# KiCad board Control_1v1.kicad_pcb (continued)
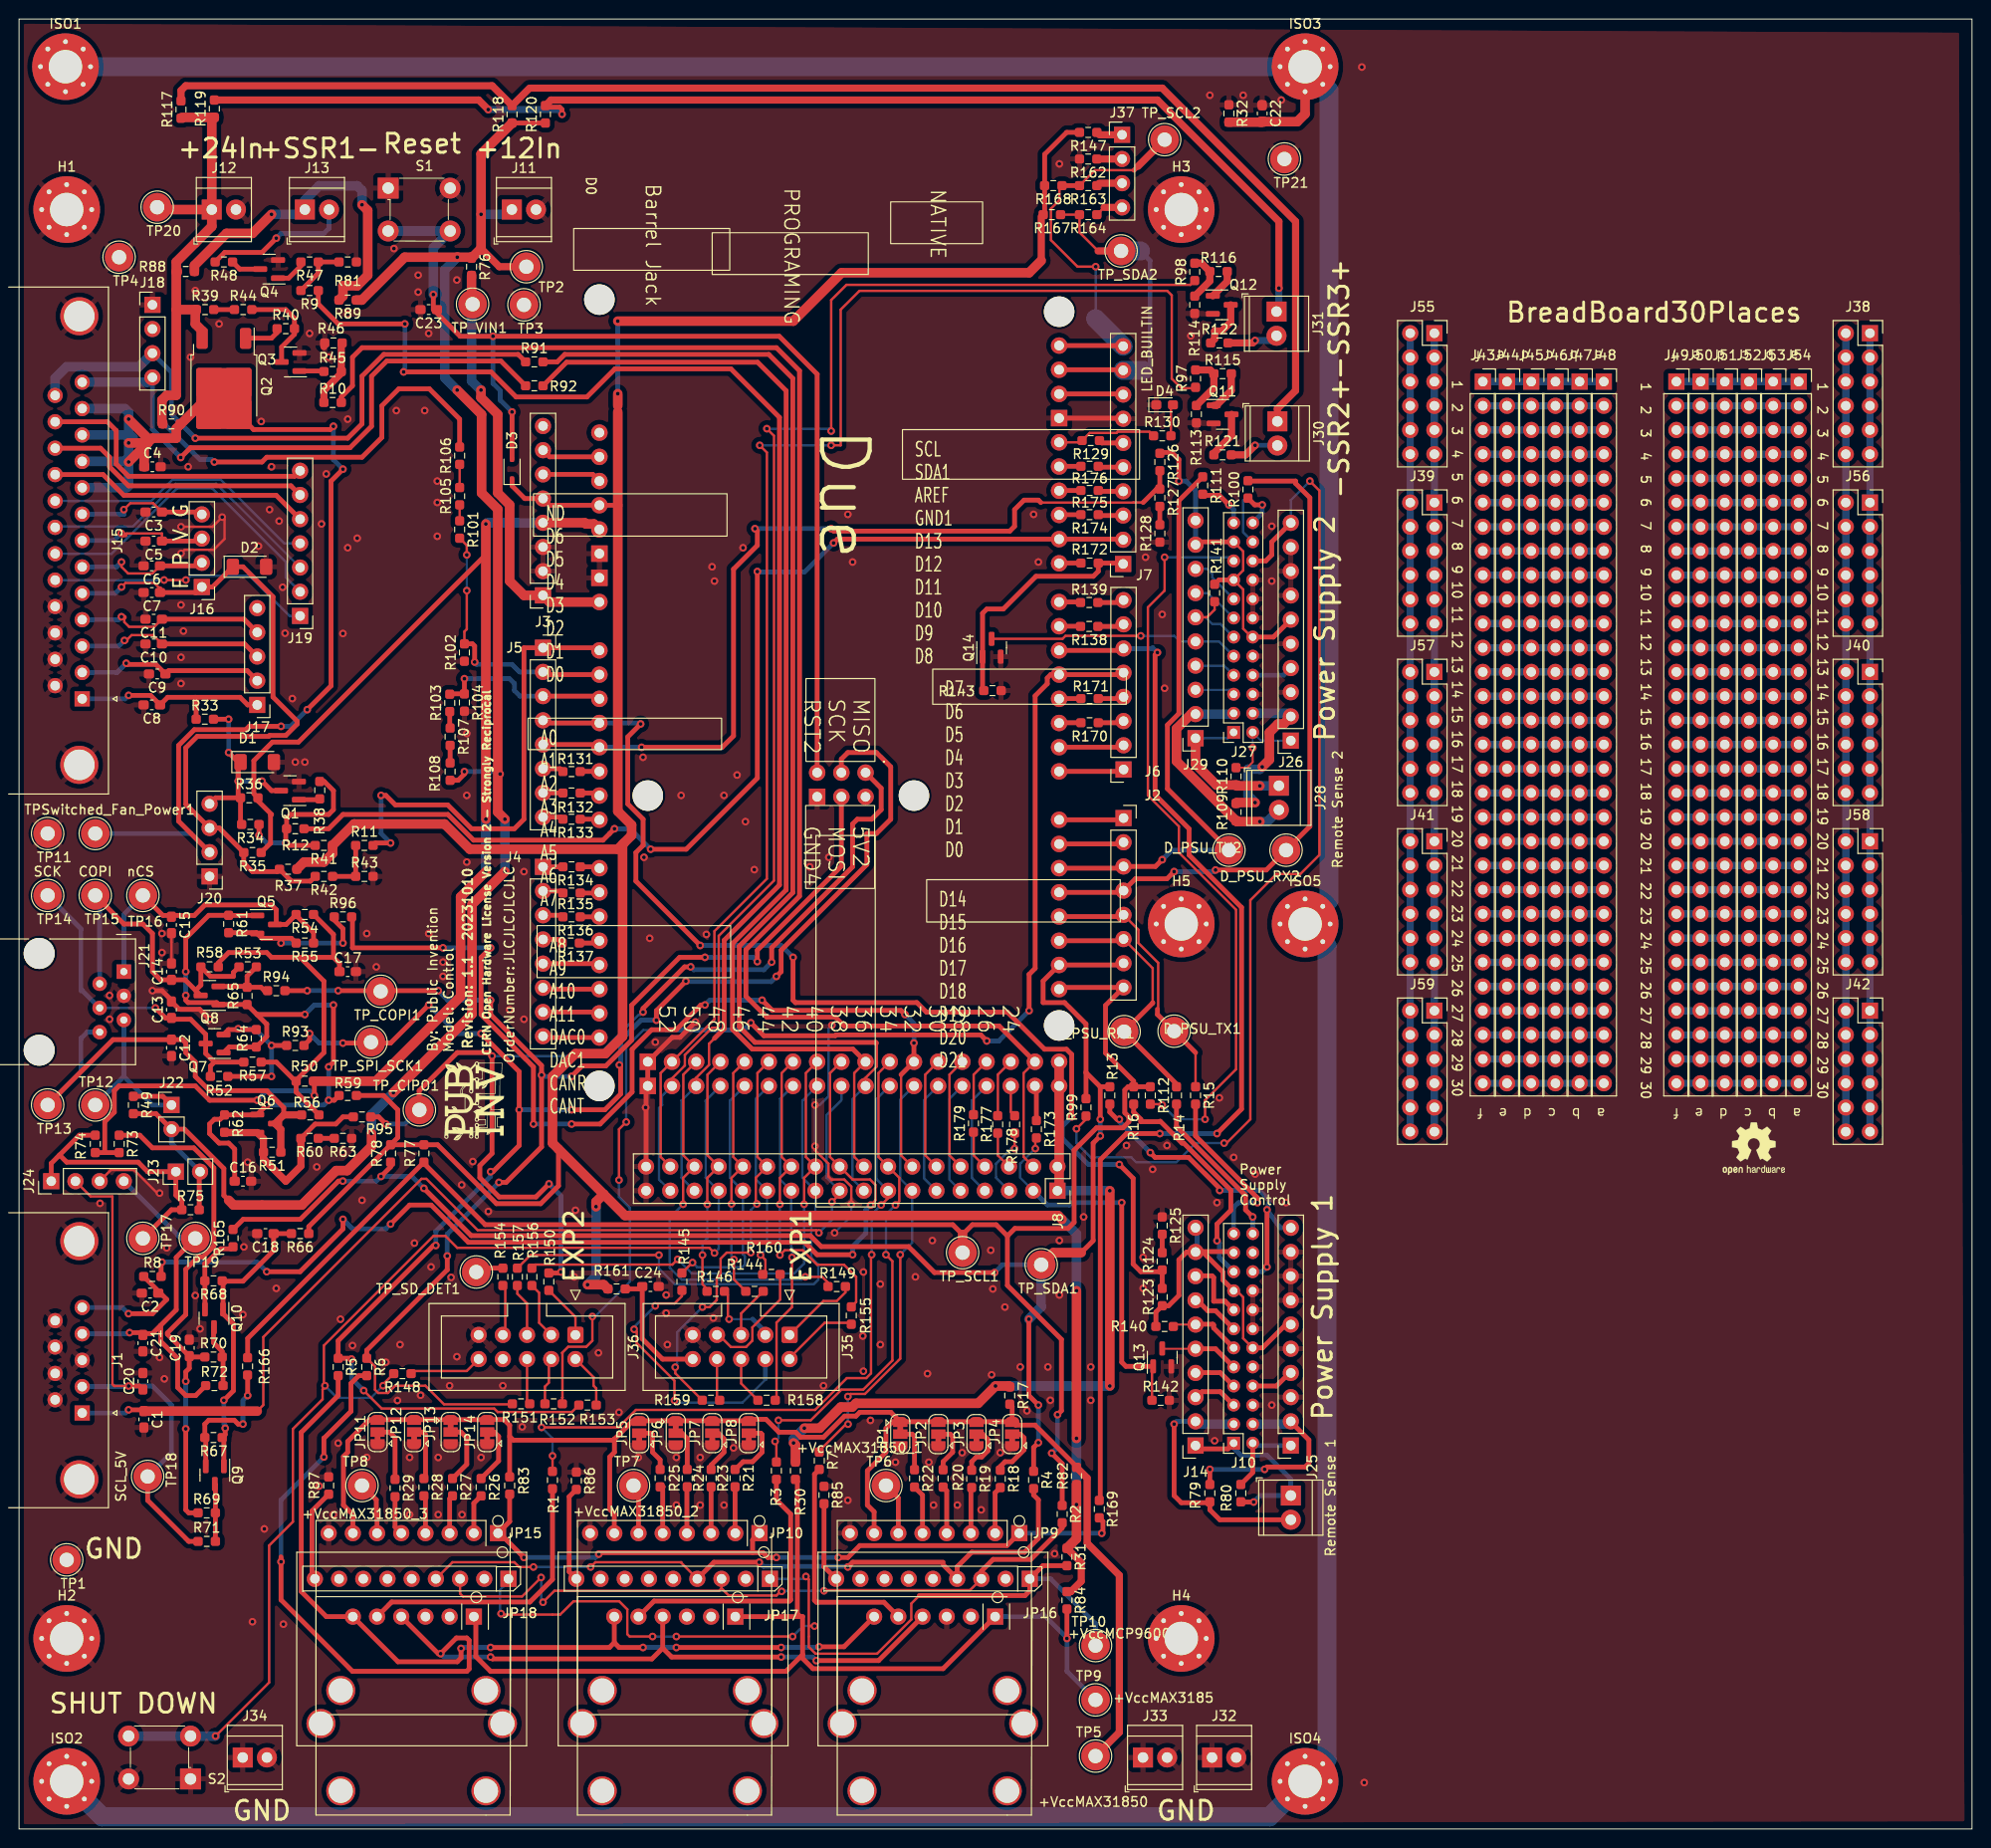
[diagram p0: board, top side]
## Nets (continued)
/SSR Interface/Heater3: R98.2 R114.1 R116.1
/Thermocouple Amplifier I2C breakout board - MCP9600/SCL: JP19.3 JP20.3 JP21.3 R2.2
/Thermocouple Amplifier I2C breakout board - MCP9600/SDA: JP19.4 JP20.4 JP21.4 R4.2
/Thermocouple Amplifier SPI Interface breakout board - MAX31855 /DO: JP16.4 JP17.4 JP18.4 R6.2
/Thermocouple Amplifier SPI Interface breakout board - MAX31855 /nCS_1: JP16.5 R7.2
/Thermocouple Amplifier SPI Interface breakout board - MAX31855 /nCS_2: JP17.5 R3.2
/Thermocouple Amplifier SPI Interface breakout board - MAX31855 /nCS_3: JP18.5 R1.2
/Thermocouple Amplifier SPI Interface breakout board - MAX31855 /SCK: JP16.6 JP17.6 JP18.6 R5.2
/Thermocouple Amplifier with 1-Wire Breakout Board - MAX31850K/DATA: JP9.1 JP10.1 JP15.1 R83.1 R169.1
/TX: J10.24 R14.1
/TX2: J27.24 R100.1
/VCI: J10.15 J14.8
/VCI2: J27.15 J29.8
/VO2+: J26.1 J27.2 R110.2
/VO2-: J26.2 J27.4 R109.2
/VO+: J9.1 J10.2 R80.2
/VO-: J9.2 J10.4 R79.2
/VS2+: J27.1 J28.1 J29.1 R110.1
/VS2-: J27.3 J28.2 J29.2 R109.1
/VS+: J10.1 J14.1 J25.1 R80.1
/VS-: J10.3 J14.2 J25.2 R79.1
/VSET: J9.4 J10.8
/VSET2: J26.4 J27.8
AREF: A1.AREF J7.8
BLOWER_ENABLE: A1.D22 J8.4 R10.2
BLOWER_TACH: A1.A0 J5.1 R11.2
CANR: A1.CANR J4.7
CANT: A1.CANT J4.8
CIPO: A1.MISO R95.2 R150.2 TP_CIPO1.1
COPI: A1.MOSI R6.1 R94.2 R151.2 TP_COPI1.1
D0: A1.D0 J6.1
D1: A1.D1 J6.2
D25: J8.5 R178.1
D27: A1.D27 J8.7
D29: A1.D29 J8.9
D31: A1.D31 J8.11
D32: A1.D32 J8.14 R96.2
D37: A1.D37 J8.17 R91.2
D38: A1.D38 J8.20 R8.2
D39: A1.D39 C1.1 J1.1 J8.19
D40: A1.D40 J8.22 R156.1
D41: A1.D41 J8.21 R157.1
D42: A1.D42 J8.24 R155.1
D43: A1.D43 J8.23 R158.1
D44: A1.D44 J8.26 R159.1
D45: A1.D45 J8.25 R160.1
D46: A1.D46 J8.28 R144.2
D47: A1.D47 J8.27 R145.2
D48: A1.D48 J8.30 R146.2
D49: A1.D49 J8.29 R148.2 S2.3 S2.4
D50: A1.D50 J8.32 R149.2
D51: A1.D51 J8.31 R9.1
D52: A1.D52 J8.34 R97.1
D53: A1.D53 J8.33 R98.1
DAC0: A1.DAC0 J4.5
DAC1: A1.DAC1 J4.6
LED_BUILTIN: A1.D13 R129.2 R130.1
LOOPBACK13: A1.D36 J8.18 R92.2
nFAN1_PWM: A1.D9 J7.2 R12.2
ONE_WIRE_TC: A1.D5 J6.6 R169.2
PS1_EN: J8.3 Q13.1 R142.1 R173.2
PS2_EN: J7.1 Q14.1 R143.1 R172.2
SCL: A1.D21 J2.8 R2.1 R16.1 R77.1 R112.1 R166.2 TP_SCL1.1
SCL1: A1.SCL1 J7.10 R163.2 R168.1 TP_SCL2.1
SDA: A1.D20 J2.7 R4.1 R13.2 R78.1 R99.2 R165.2 TP_SDA1.1
SDA1: A1.SDA1 J7.9 R164.2 R167.1 TP_SDA2.1
SENSE_12V: A1.A2 J5.3 R103.2 R104.1
SENSE_24V: A1.A1 J5.2 R101.2 R102.2
SENSE_AUX1: A1.A3 J5.4 R123.2 R124.1
SENSE_AUX2: A1.A4 J5.5 R126.2 R127.1
SPI_nRST: A1.RST2 C23.1 D3.2 S1.3 S1.4
SPI_SCK: A1.SCK R5.1 R93.2 R153.2 TP_SPI_SCK1.1
TC_nCS1: A1.D33 J8.13 R7.1
TC_nCS2: A1.D34 J8.16 R3.1
TC_nCS3: A1.D35 J8.15 R1.1
Net-(A1-D10_CS0): A1.D10 R174.2
Net-(A1-D14/TX3): A1.D14 J2.1
Net-(A1-D15/RX3): A1.D15 J2.2
Net-(A1-IOREF): A1.IORF J3.7
Net-(A1-PadA5): A1.A5 R131.1
Net-(A1-PadA6): A1.A6 R132.1
Net-(A1-PadA7): A1.A7 R133.1
Net-(A1-PadA8): A1.A8 R134.1
Net-(A1-PadA9): A1.A9 R135.1
Net-(A1-PadA10): A1.A10 R136.1
Net-(A1-PadA11): A1.A11 R137.1
Net-(A1-PadD2): A1.D2 R170.2
Net-(A1-PadD3): A1.D3 R171.2
Net-(A1-PadD6): A1.D6 R138.2
Net-(A1-PadD7): A1.D7 R139.2
Net-(A1-PadD8): A1.D8 R172.1
Net-(A1-PadD11): A1.D11 R175.2
Net-(A1-PadD12): A1.D12 R176.2
Net-(A1-PadD23): A1.D23 R173.1
Net-(A1-PadD24): A1.D24 R177.2
Net-(A1-PadD25): A1.D25 R178.2
Net-(A1-PadD26): A1.D26 R179.2
Net-(A1-RESET): A1.RST1 J3.6
Net-(C2-Pad1): C2.1 J1.5 R8.1
Net-(C22-Pad2): C22.2 ISO1.1 ISO2.1 ISO3.1 ISO4.1 ISO5.1 R32.2
Net-(D1-K): D1.1 J20.4 Q1.3 R33.2 R34.2 R36.1
Net-(D4-A): D4.2 R130.2
Net-(J3-Pin_1): A1.VIN J3.1 R76.2 TP_VIN1.1
Net-(J4-Pin_1): J4.1 R134.2
Net-(J4-Pin_2): J4.2 R135.2
Net-(J4-Pin_3): J4.3 R136.2
Net-(J4-Pin_4): J4.4 R137.2
Net-(J5-Pin_6): J5.6 R131.2
Net-(J5-Pin_7): J5.7 R132.2
Net-(J5-Pin_8): J5.8 R133.2
Net-(J6-Pin_3): J6.3 R170.1
Net-(J6-Pin_4): J6.4 R171.1
Net-(J6-Pin_7): J6.7 R138.1
Net-(J6-Pin_8): J6.8 R139.1
Net-(J7-Pin_3): J7.3 R174.1
Net-(J7-Pin_4): J7.4 R175.1
Net-(J7-Pin_5): J7.5 R176.1
Net-(J7-Pin_6): J7.6 R129.1
Net-(J8-Pin_6): J8.6 R177.1
Net-(J8-Pin_8): J8.8 R179.1
Net-(J8-Pin_10): A1.D28 J8.10
Net-(J8-Pin_12): A1.D30 J8.12
Net-(J13-Pin_1): J13.1 R88.2 R89.2
Net-(J13-Pin_2): J13.2 R48.2
Net-(J15-P18): J15.18 J19.1
Net-(J15-P19): J15.19 J19.2
Net-(J15-P20): J15.20 J19.3
Net-(J15-P21): J15.21 J19.4
Net-(J15-P22): J15.22 J19.5
Net-(J15-P23): J15.23 J19.6
Net-(J15-P24): J15.24 J19.7
Net-(J30-Pin_1): J30.1 R117.2 R118.2
Net-(J30-Pin_2): J30.2 R121.2
Net-(J31-Pin_1): J31.1 R119.2 R120.2
Net-(J31-Pin_2): J31.2 R122.2
Net-(J37-Pin_1): J37.1 R147.1
Net-(J37-Pin_2): J37.2 R162.1
Net-(J37-Pin_3): J37.3 R163.1
Net-(J37-Pin_4): J37.4 R164.1
Net-(J38-Pin_1): J38.1 J38.3 J38.5 J38.7 J38.9 J38.11 J40.1 J40.3 J40.5 J40.7 J40.9 J40.11 J42.1 J42.3 J42.5 J42.7 J42.9 J42.11 J56.1 J56.3 J56.5 J56.7 J56.9 J56.11 J58.1 J58.3 J58.5 J58.7 J58.9 J58.11
Net-(J38-Pin_10): J38.2 J38.4 J38.6 J38.8 J38.10 J38.12 J40.2 J40.4 J40.6 J40.8 J40.10 J40.12 J42.2 J42.4 J42.6 J42.8 J42.10 J42.12 J56.2 J56.4 J56.6 J56.8 J56.10 J56.12 J58.2 J58.4 J58.6 J58.8 J58.10 J58.12
Net-(J39-Pin_1): J39.1 J39.3 J39.5 J39.7 J39.9 J39.11 J41.1 J41.3 J41.5 J41.7 J41.9 J41.11 J55.1 J55.3 J55.5 J55.7 J55.9 J55.11 J57.1 J57.3 J57.5 J57.7 J57.9 J57.11 J59.1 J59.3 J59.5 J59.7 J59.9 J59.11
Net-(J39-Pin_10): J39.2 J39.4 J39.6 J39.8 J39.10 J39.12 J41.2 J41.4 J41.6 J41.8 J41.10 J41.12 J55.2 J55.4 J55.6 J55.8 J55.10 J55.12 J57.2 J57.4 J57.6 J57.8 J57.10 J57.12 J59.2 J59.4 J59.6 J59.8 J59.10 J59.12
Net-(J43-Pin_1): J43.1 J44.1 J45.1 J46.1 J47.1 J48.1
Net-(J43-Pin_2): J43.2 J44.2 J45.2 J46.2 J47.2 J48.2
Net-(J43-Pin_3): J43.3 J44.3 J45.3 J46.3 J47.3 J48.3
Net-(J43-Pin_4): J43.4 J44.4 J45.4 J46.4 J47.4 J48.4
Net-(J43-Pin_5): J43.5 J44.5 J45.5 J46.5 J47.5 J48.5
Net-(J43-Pin_6): J43.6 J44.6 J45.6 J46.6 J47.6 J48.6
Net-(J43-Pin_7): J43.7 J44.7 J45.7 J46.7 J47.7 J48.7
Net-(J43-Pin_8): J43.8 J44.8 J45.8 J46.8 J47.8 J48.8
Net-(J43-Pin_9): J43.9 J44.9 J45.9 J46.9 J47.9 J48.9
Net-(J43-Pin_10): J43.10 J44.10 J45.10 J46.10 J47.10 J48.10
Net-(J43-Pin_11): J43.11 J44.11 J45.11 J46.11 J47.11 J48.11
Net-(J43-Pin_12): J43.12 J44.12 J45.12 J46.12 J47.12 J48.12
Net-(J43-Pin_13): J43.13 J44.13 J45.13 J46.13 J47.13 J48.13
Net-(J43-Pin_14): J43.14 J44.14 J45.14 J46.14 J47.14 J48.14
Net-(J43-Pin_15): J43.15 J44.15 J45.15 J46.15 J47.15 J48.15
Net-(J43-Pin_16): J43.16 J44.16 J45.16 J46.16 J47.16 J48.16
Net-(J43-Pin_17): J43.17 J44.17 J45.17 J46.17 J47.17 J48.17
Net-(J43-Pin_18): J43.18 J44.18 J45.18 J46.18 J47.18 J48.18
Net-(J43-Pin_19): J43.19 J44.19 J45.19 J46.19 J47.19 J48.19
Net-(J43-Pin_20): J43.20 J44.20 J45.20 J46.20 J47.20 J48.20
Net-(J43-Pin_21): J43.21 J44.21 J45.21 J46.21 J47.21 J48.21
Net-(J43-Pin_22): J43.22 J44.22 J45.22 J46.22 J47.22 J48.22
Net-(J43-Pin_23): J43.23 J44.23 J45.23 J46.23 J47.23 J48.23
Net-(J43-Pin_24): J43.24 J44.24 J45.24 J46.24 J47.24 J48.24
Net-(J43-Pin_25): J43.25 J44.25 J45.25 J46.25 J47.25 J48.25
Net-(J43-Pin_26): J43.26 J44.26 J45.26 J46.26 J47.26 J48.26
Net-(J43-Pin_27): J43.27 J44.27 J45.27 J46.27 J47.27 J48.27
Net-(J43-Pin_28): J43.28 J44.28 J45.28 J46.28 J47.28 J48.28
Net-(J43-Pin_29): J43.29 J44.29 J45.29 J46.29 J47.29 J48.29
Net-(J43-Pin_30): J43.30 J44.30 J45.30 J46.30 J47.30 J48.30
Net-(J49-Pin_1): J49.1 J50.1 J51.1 J52.1 J53.1 J54.1
Net-(J49-Pin_2): J49.2 J50.2 J51.2 J52.2 J53.2 J54.2
Net-(J49-Pin_3): J49.3 J50.3 J51.3 J52.3 J53.3 J54.3
Net-(J49-Pin_4): J49.4 J50.4 J51.4 J52.4 J53.4 J54.4
Net-(J49-Pin_5): J49.5 J50.5 J51.5 J52.5 J53.5 J54.5
Net-(J49-Pin_6): J49.6 J50.6 J51.6 J52.6 J53.6 J54.6
Net-(J49-Pin_7): J49.7 J50.7 J51.7 J52.7 J53.7 J54.7
Net-(J49-Pin_8): J49.8 J50.8 J51.8 J52.8 J53.8 J54.8
Net-(J49-Pin_9): J49.9 J50.9 J51.9 J52.9 J53.9 J54.9
Net-(J49-Pin_10): J49.10 J50.10 J51.10 J52.10 J53.10 J54.10
Net-(J49-Pin_11): J49.11 J50.11 J51.11 J52.11 J53.11 J54.11
Net-(J49-Pin_12): J49.12 J50.12 J51.12 J52.12 J53.12 J54.12
Net-(J49-Pin_13): J49.13 J50.13 J51.13 J52.13 J53.13 J54.13
Net-(J49-Pin_14): J49.14 J50.14 J51.14 J52.14 J53.14 J54.14
Net-(J49-Pin_15): J49.15 J50.15 J51.15 J52.15 J53.15 J54.15
Net-(J49-Pin_16): J49.16 J50.16 J51.16 J52.16 J53.16 J54.16
Net-(J49-Pin_17): J49.17 J50.17 J51.17 J52.17 J53.17 J54.17
Net-(J49-Pin_18): J49.18 J50.18 J51.18 J52.18 J53.18 J54.18
Net-(J49-Pin_19): J49.19 J50.19 J51.19 J52.19 J53.19 J54.19
Net-(J49-Pin_20): J49.20 J50.20 J51.20 J52.20 J53.20 J54.20
Net-(J49-Pin_21): J49.21 J50.21 J51.21 J52.21 J53.21 J54.21
Net-(J49-Pin_22): J49.22 J50.22 J51.22 J52.22 J53.22 J54.22
Net-(J49-Pin_23): J49.23 J50.23 J51.23 J52.23 J53.23 J54.23
Net-(J49-Pin_24): J49.24 J50.24 J51.24 J52.24 J53.24 J54.24
Net-(J49-Pin_25): J49.25 J50.25 J51.25 J52.25 J53.25 J54.25
Net-(J49-Pin_26): J49.26 J50.26 J51.26 J52.26 J53.26 J54.26
Net-(J49-Pin_27): J49.27 J50.27 J51.27 J52.27 J53.27 J54.27
Net-(J49-Pin_28): J49.28 J50.28 J51.28 J52.28 J53.28 J54.28
Net-(J49-Pin_29): J49.29 J50.29 J51.29 J52.29 J53.29 J54.29
Net-(J49-Pin_30): J49.30 J50.30 J51.30 J52.30 J53.30 J54.30
Net-(JP1-C): JP1.2 R22.1
Net-(JP2-C): JP2.2 R20.1
Net-(JP3-C): JP3.2 R19.1
Net-(JP4-C): JP4.2 R18.1
Net-(JP5-C): JP5.2 R25.1
Net-(JP6-C): JP6.2 R24.1
Net-(JP7-C): JP7.2 R23.1
Net-(JP8-C): JP8.2 R21.1
Net-(JP9-Pin_2): JP9.2 R18.2
Net-(JP9-Pin_3): JP9.3 R19.2
Net-(JP9-Pin_4): JP9.4 R20.2
Net-(JP9-Pin_5): JP9.5 R22.2
Net-(JP9-Pin_6): JP9.6 TP6.1
Net-(JP10-Pad2): JP10.2 R21.2
Net-(JP10-Pad3): JP10.3 R23.2
Net-(JP10-Pad4): JP10.4 R24.2
Net-(JP10-Pad5): JP10.5 R25.2
Net-(JP10-Pad6): JP10.6 TP7.1
Net-(JP11-C): JP11.2 R29.1
Net-(JP12-C): JP12.2 R28.1
Net-(JP13-C): JP13.2 R27.1
Net-(JP14-C): JP14.2 R26.1
Net-(JP15-Pad2): JP15.2 R26.2
Net-(JP15-Pad3): JP15.3 R27.2
Net-(JP15-Pad4): JP15.4 R28.2
Net-(JP15-Pad5): JP15.5 R29.2
Net-(JP15-Pad6): JP15.6 TP8.1
Net-(JP19-Pad9): JP19.9 R85.2
Net-(JP20-Pad9): JP20.9 R86.2
Net-(JP21-Pad9): JP21.9 R87.2
Net-(Q1-G): Q1.1 R38.1
Net-(Q2-G): Q2.1 R40.1
Net-(Q3-D): Q3.3 R40.2 R44.2
Net-(Q3-G): Q3.1 R45.1
Net-(Q4-D): Q4.3 R48.1
Net-(Q4-G): Q4.1 R47.2
Net-(Q9-D): Q9.3 R69.2 R71.2
Net-(Q10-D): Q10.3 R70.2 R72.2
Net-(Q11-D): Q11.3 R121.1
Net-(Q11-G): Q11.1 R115.2
Net-(Q12-D): Q12.3 R122.1
Net-(Q12-G): Q12.1 R116.2
Net-(R39-Pad2): R39.2 R44.1
Net-(R60-Pad1): R60.1 R63.2
Net-(R101-Pad1): R101.1 R105.1
Net-(R103-Pad1): R103.1 R107.1
Net-(R105-Pad2): R105.2 R106.1
Net-(R107-Pad2): R107.2 R108.1
Net-(R124-Pad2): R124.2 R125.2
Net-(R127-Pad2): R127.2 R128.2
Net-(R154-Pad2): R154.2 TP_SD_DET1.1

Pads without a net: A1 5V2; J3 8; J17 5; J18 2; JP9 9 10; JP10 9 10; JP15 9 10; JP16 2 8 9; JP17 2 8 9; JP18 2 8 9; JP19 5 6 7 8 10 11; JP20 5 6 7 8 10 11; JP21 5 6 7 8 10 11

## Via types
v1: diameter 0.8, hole 0.4, Top to Bottom, 481 vias

## Routing (per net, layer and track width the routed paths; a pad name or vN(x,y) marks a point on that pad's centre or on a via; arc(x,y) is an arc through that point)
5VHead: length 79.2
  Top w1: v1(82.43,42.08) 84.05,42.08 86.27,44.29 87.46,44.29 87.86,44.69 100.69,44.69 v1(102.5,46.5) 103.91,46.5 R17.1 ; v1(114.5,67) v1(114.5,46.5) ; R30.1 81.5,40.32 v1(81.3,40.52) ; A1.5V3 A1.5V4 109.18,67.18 J8.1
  Bottom w1: v1(114.5,46.5) v1(102.5,46.5) ; v1(82.43,42.08) 81.3,40.94 v1(81.3,40.52) ; J8.1 v1(114.5,67)
+3.3V: length 365.6
  Top w0.5: R147.2 109.97,178.1 107.66,175.79 R168.2 107.66,169.62 R167.2 107.3,169.26 ; R59.1 38.25,77 39.75,75.5 39.75,72.57 R78.2 ; R66.1 30.41,63.24 R78.2 ; 62.85,149.4 62.85,148.76 ; 56.62,71.38 56.62,67.51 54.76,65.64 50.11,65.64 43.93,71.82 R77.2 R78.2 ; 62.85,138.96 A1.3V3 55.7,138.96 J3.5 53.09,139.66 51.75,141 D3.1
  Top w0.75: R84.1 110.41,24.91 111.5,26 111.5,27.96 R31.1 ; 107.3,169.26 107.3,164.64
  Top w1: 62.85,148.76 62.85,106.84 64.3,105.39 64.3,104.3 63.5,103.5 ; 107.3,164.64 106.03,163.37 86.34,163.37 81.26,158.29 v1(62.85,158.29) ; 61.36,66.63 56,72 56,79 58.39,81.39 61.55,81.39 63.35,83.19 63.35,103.35 63.5,103.5 ; 61.36,66.63 60.56,65.83 v1(60.56,65.33) ; 61.36,66.63 63.61,64.39 109.07,64.39 v1(109.48,63.99) ; R161.2 61.37,57.13 v1(59.67,57.13) ; v1(62.85,150.67) 62.85,149.4 ; 63.5,103.5 62.85,102.85 47.32,102.85 44.67,105.5 35.16,105.5 R41.1 32.91,102.41 32,101.5 29.91,101.5 R37.2 ; R31.1 111,30.46 R82.1 ; v1(111,56.5) v1(111,41)
  Bottom w0.5: v1(62.85,158.29) v1(62.85,150.67)
  Bottom w1: v1(111,41) v1(111,34.05) ; v1(59.67,57.13) 60.56,58.02 v1(60.56,65.33) ; v1(111,56.5) 111,62.47 v1(109.48,63.99)
+5V: length 162.9
  Top w0.5: R50.1 31,78.41 v1(31,77) ; R35.1 26.4,103.49 26.4,106.4 26.5,106.5 25.08,107.92 25.08,108.25 24.65,108.67 24.65,112.15 26.6,114.1 29.33,114.1 49,133.77 v1(49,137) ; R74.2 9,71 ; 9,71 9,74.24 10,75.24 10,77.5 10.5,78 18.5,78 20,76.5 v1(25,76.5) ; 9,71 R73.2
  Top w1: A1.5V1 60.34,137 59.5,137 59.38,137.12 J3.4 ; v1(49,137) v1(49,106) ; R50.1 37.46,78.5 46.35,87.39 46.35,97.85 v1(49,100.5)
  Bottom w0.5: v1(31,77) 30.5,77.5 26,77.5 v1(25,76.5) ; v1(49,137) 49.12,137.12
  Bottom w1: v1(49,106) v1(49,100.5) ; 49.12,137.12 J3.4
+12V: length 193.4
  Top w0.5: R120.1 R118.1 ; 22,66 21.5,66.5 21.5,69.33 17.37,73.46 J22.2 14.37,75.09 R49.2 ; R75.2 18.91,68.91 ; R108.2 46.09,110.09 46.75,110.75 v1(46.75,111)
  Top w0.75: TP2.1 50.41,164 48.5,165.91
  Top w1: v1(39.3,77.3) 47.55,85.55 47.55,97.05 v1(51,100.5) ; v1(51,106) 50.25,106.75 50.25,138.55 48.55,140.25 48.55,148.49 v1(45.99,151.05) ; v1(37,73) 37,71.67 34.44,69.11 33.29,69.11 29.68,65.5 22.5,65.5 22,66 ; R89.1 35.98,160.5 40.48,165 v1(46,165) 47.41,165 R76.1 48.5,165.91 v1(48.5,169.5) 48.5,175.84 R118.1
  Bottom w0.5: v1(46.75,111) 50.25,111 v1(50.5,110.75) ; J23.2 16,72 J22.2
  Bottom w1: v1(45.99,151.05) 44.69,152.35 44.69,163.69 v1(46,165) ; v1(39.3,77.3) 37,75 v1(37,73) ; v1(48.5,169.5) 51.23,169.5 J11.1 ; v1(51,106) v1(51,100.5)
+24V: length 98.1
  Top w0.5: 46.25,145.07 46.25,148 43.07,151.18 39.86,151.18 38.08,149.4 38.08,146.08 36,144 26,144 25.5,143.5 v1(20.5,143.5) ; 17.09,179.68 R117.1
  Top w1: 16.5,159.5 R39.1 18.5,159.39 18.5,158 19.22,157.28 Q2.3 ; 16.5,159.5 16.5,150.5 15.5,150.5 15,150 v1(15,149.25) 15,147.59 R90.1 ; 16.5,159.5 16.5,163.41 R88.1 16.5,163.59 16.5,164.5 v1(18.5,166.5) 20.23,168.23 J12.1 ; J12.1 14.75,170 TP20.1 ; J12.1 20.23,179.41 R119.1 17.09,179.68
  Bottom w0.5: v1(15,149.25) 15,147.75 19,143.75 20.25,143.75 v1(20.5,143.5)
  Bottom w1: v1(18.5,166.5) 20.23,168.23 J12.1
/Display Interface/+3v3_local: length 13.6
  Top w0.5: J35.10 67.55,49.32 65.42,51.46 C24.1 65.16,56.69 R161.1
/I2C_LevelShift/+3V3Local: length 30.6
  Top w0.5: v1(21.64,42.06) 21.64,41.4 R67.1 ; R68.1 21.37,57.5 23.5,57.5 26.72,60.72 C18.1 R66.2 ; 21.41,57.46 Q10.1 21.41,54.09 22.5,53 22.5,46 v1(21.5,45) ; Q9.1 21.5,40.91
  Bottom w0.5: v1(21.64,42.06) 21.64,42.36 21.5,42.5 v1(21.5,45)
/I2C_LevelShift/+5VLocal: length 53.6
  Top w0.5: v1(17.5,47) 17.5,47.99 17.87,48.36 C19.1 15.58,51.93 15.58,52.07 17.5,54 17.5,58.75 18.8,60.05 19.31,60.05 20.45,61.19 20.45,69.39 18.34,71.5 14,71.5 12.67,72.82 R73.1 ; R70.1 17.96,49.54 ; v1(17.5,42) 17.5,33.5 17.81,33.19 R69.1
  Bottom w0.5: v1(17.5,42) v1(17.5,47)
/SPI_ControllerLevel_Shifter/+3V3Local: length 72.2
  Top w0.5: v1(17.5,87.5) 17.5,87 17.75,86.75 20.74,86.75 Q8.1 23.92,86.55 R65.1 24.99,85.49 ; v1(17.5,90) 17.5,93.5 19.91,95.91 R61.1 22.01,95.9 Q5.1 ; Q7.1 22.06,82.09 R64.1 26,83.19 26,84.5 25.97,84.5 24.99,85.49 ; v1(33,86.5) 33,80.5 v1(32.5,80) ; C16.1 22.64,71.36 22,72 21,72 20,73 20,74 20.5,74.5 21.11,74.5 R62.1 24.96,74.96 Q6.1 v1(26,76) ; 24.99,85.49 25,85.5 v1(30,85.5) ; v1(32.5,76.5) 33.09,76.5 R59.2
  Bottom w0.5: v1(33,86.5) 31,86.5 v1(30,85.5) ; v1(32.5,80) v1(32.5,76.5) 32,76 v1(26,76) ; v1(17.5,90) v1(17.5,87.5)
/SPI_ControllerLevel_Shifter/+5VLocal: length 44.5
  Top w0.5: R56.1 29.09,77.35 29.09,78.41 27,80.5 R57.1 ; 29.5,91.5 33,91.5 ; 29.5,91.5 26.5,91.5 26,92 22,92 20.91,90.91 R58.1 ; 29.5,91.5 32,89 32,81.5 29.09,78.59 R50.2 ; 33,91.5 33.64,90.86 C17.1 ; 33,91.5 33,93.91 R54.1
/Thermocouple Amplifier I2C breakout board - MCP9600/+VccMCP9600: length 97.2
  Top w0.25: v1(50.6,22.6) 50.7,22.5 56.8,22.5 58.2,23.9 63,23.9 63.85,23.05 63.85,20.45 64.1,20.2 v1(66.5,20.2) ; 82.9,21.3 v1(83.5,21.3) ; v1(82.6,26.5) 82.9,26.2 82.9,19.1 83.6,18.4 90.07,18.4 93.66,21.99 93.66,23.66 94.5,24.5 ; v1(81.2,20.2) v1(69,20.2)
  Top w0.5: R31.2 107.48,27.64 JP19.1 106.09,25 105.6,24.5 94.5,24.5
  Bottom w0.25: v1(82.6,26.5) 82.36,26.26 JP20.1 ; v1(81.2,20.2) 82.3,21.3 v1(83.5,21.3) ; v1(69,20.2) v1(66.5,20.2) ; JP21.1 51.38,25.97 50.5,25.1 50.5,22.7 v1(50.6,22.6)
  Bottom w0.5: TP10.1 113,21.55 108.29,26.26 JP19.1
/Thermocouple Amplifier SPI Interface breakout board - MAX31855 /+VccMAX31855: length 108.4
  Top w0.5: 82,22.29 JP17.1 ; 82,22.29 81.7,22.59 81.7,36.49 R30.2 ; 82,22.29 82.25,22.29 82.25,18.3 ; 82.25,18.3 82.25,17.91 83.34,16.82 97,16.82 JP16.1 ; 82.25,18.3 80.5,16.55 49.5,16.55 47.95,18.1 47.95,22.08 JP18.1 ; R84.2 v1(110,20)
  Bottom w0.5: JP16.1 107.24,22.29 107.5,22.55 110,20.05 110,16.55 TP9.1
/Thermocouple Amplifier with 1-Wire Breakout Board - MAX31850K/+VccMAX31850: length 158
  Top w0.5: R83.2 51.5,42.39 50.91,42.97 49.15,42.97 JP14.3 JP13.1 JP12.3 JP11.3 36.78,42.96 34.5,40.68 34.5,39.55 34.05,39.1 34.05,34 35.04,33.01 JP15.7 ; JP9.7 89.76,33.29 89.05,34 89.05,37.6 91,39.55 91,42.05 91.7,42.75 JP1.1 ; JP1.1 JP2.3 JP3.3 JP4.3 ; JP1.1 91.51,43.74 88.25,43.74 87.85,43.34 86.66,43.34 84.44,41.13 82.04,41.13 81.51,41.65 79.76,41.65 78.41,43 76.61,43 ; JP8.3 JP7.3 JP6.1 JP5.3 64.43,42.85 62.52,40.94 62.5,40.94 ; 51.5,41.2 51.88,40.81 62.37,40.81 62.5,40.94 ; JP4.3 104.6,42.4 106.65,42.4 111,38.05 R82.2 ; JP4.3 104.25,44.34 R17.2 ; 62.5,40.94 62.5,39.55 62,39.05 62,33.55 62.48,33.06 JP10.7
  Top w0.75: TP5.1 115.5,10.15 115.5,26.62 112.12,30 112.12,36.84 R82.2
GND: length 86.9
  Top w0.25: v1(17,136.7) 20.31,136.7 v1(21.32,137.72) 21.58,137.46 21.58,135.43 20.43,134.28 17.38,134.28 v1(17,133.91) ; v1(14.75,66.75) 14.5,66.75 12.08,69.18 9.63,69.18 J24.3 ; C14.2 C15.2 ; v1(83.55,71.68) 83.55,71.25 84.97,69.84 84.97,68.48 85.33,68.12 85.38,68.18 86.63,68.18 87.36,67.44 v1(87.36,65.58)
  Top w0.5: v1(20,85) 18.95,86.05 16.81,86.05 C13.2 16,87 15,88 v1(14,88) ; v1(71,84.72) 69.38,83.1 68.56,83.1 A1.GND5 A1.GND6 65.82,77.82 J8.36 ; J7.7 115.84,148.1 A1.GND1
  Top w0.75: 32,155.61 32,156
  Top w1: 130.45,181 C22.1
  Bottom w0.25: 129,139.5 128.5,139.5 128.5,136.12 J27.22 ; v1(85.61,62.58) 87.36,64.34 v1(87.36,65.58) ; v1(83.55,71.68) v1(83.55,75.99) 84.06,75.99 84.97,76.9 84.97,84.02 v1(85.33,84.38)
  vias: v1(8.5,65.68) v1(9.5,87.5) v1(9.5,85) v1(14.75,49.5) v1(15,94) v1(15,92) v1(15.25,47.25) v1(15.5,61) v1(17,128.5) v1(17,123) v1(17,120.25) v1(17.25,125.75) v1(17.75,143) v1(18,154.5) v1(18.5,161.5) v1(18.5,56) v1(19,52.5) v1(21,158) v1(23.5,54) v1(23.6,61.1) v1(24,70) v1(24.5,21.75) v1(25.13,134.67) v1(25.42,147.76) v1(25.75,31.5) v1(26.3,138.5) v1(26.5,143) v1(27,56.75) v1(27.3,137.3) v1(27.67,130.35) v1(27.75,21.5) v1(27.92,125.52) v1(28.69,118.67) v1(29,112) v1(30,112) v1(30.5,157) v1(31.25,69.5) v1(31.5,36) v1(31.75,137) v1(32.25,142.25) v1(32.5,154.5) v1(33,33) v1(33.5,40.5) v1(33.74,53.51) v1(34,125.5) v1(34,71) v1(34.5,159) v1(34.5,148) v1(34.5,134.5) v1(35,50.75) v1(35.5,135.5) v1(36,66) v1(36.5,94) v1(36.5,39) v1(37.5,90.5) v1(38.5,49) v1(39.36,165.91) v1(39.6,148.9) v1(39.72,44.98) v1(39.99,50.85) v1(41,39) v1(41,33) v1(41.5,61.5) v1(41.89,163.12) v1(41.89,161.34) v1(42.15,45.53) v1(42.58,148.9) v1(43,157) v1(43,94) v1(43.25,59) v1(43.9,141.5) v1(43.9,139.25) v1(43.9,135.7) v1(44,39) v1(44,33) v1(44.5,91) v1(44.5,89.5) v1(45.2,46.53) v1(45.35,57.9) v1(45.96,162.61) v1(45.96,49.58) v1(46.47,67.61) v1(46.5,33) v1(47,115) v1(47,108.5) v1(47,101.5) v1(47.63,70.06) v1(48.5,39) v1(49.26,64.82) v1(50.78,46.53) v1(51.5,86) v1(52.82,42.21) v1(53,100.5) v1(53,85) v1(58.28,57.96) v1(58.41,64.94) v1(60.82,49.98) v1(62.98,43.74) v1(65,39) v1(65.5,112.5) v1(65.6,102) v1(65.77,75.74) v1(66.2,93.5) v1(66.79,82.6) v1(67.93,56.06) v1(67.93,54.15) v1(68.06,50.85) v1(69,39) v1(69,34) v1(69.5,108.5) v1(71.5,39) v1(71.5,34) v1(72.15,93.91) v1(72.75,132.5) v1(72.88,53.64) v1(73,131) v1(74,108.5) v1(74,34) v1(75,40) v1(75.37,110.64) v1(76,134.5) v1(76.25,105.75) v1(77.18,100.71) v1(83,101) v1(84.44,46.53) v1(85,102) v1(87,138) v1(87,34.5) v1(87.5,133) v1(88.63,58.47) v1(88.57,51.74) v1(88.63,48.05) v1(89.37,42.89) v1(90.41,57.2) v1(90.41,50.85) v1(92,38.5) v1(94.09,57.96) v1(95.36,47.8) v1(95.5,38.5) v1(95.87,61.77) v1(96,34) v1(98.5,34) v1(99,39.5) v1(101,33.5) v1(102,60.75) v1(102.09,47.68) v1(102.22,56.69) v1(103,39.5) v1(103.49,54.78) v1(105.1,48.5) v1(105.8,43.9) v1(106.5,138) v1(107,133) v1(108,48.5) v1(108.25,45) v1(108.7,28.9) v1(109.21,174.8) v1(109.21,61.77) v1(109.21,56.06) v1(111.75,64.25) v1(112.5,48.5) v1(112.5,45) v1(116.25,71.75) v1(118,60) v1(118,56.75) v1(118.25,133.5) v1(119,69.25) v1(120,127.5) v1(120.25,119.75) v1(120.5,71.75) v1(123,156.75) v1(125,182) v1(125.5,40.75) v1(125.75,65.75) v1(126,76.75) v1(127.5,70.5) v1(128.5,182) v1(129.75,68.75) v1(131.5,136.75) v1(131.5,131) v1(131.5,44.5) v1(132.5,181.5) v1(133,65.75) v1(140.96,184.96) v1(141.21,4.87)
/ACI: length 5.1
  Top w0.5: J10.13 125.6,54.4 124.78,54.4 123.65,55.53
/ACI2: length 5.1
  Bottom w0.25: J29.7 124.76,129.74 125.5,129 125.62,129 J27.13
/AUX: length 35
  Top w0.25: 127.82,56.5 128.5,55.82 128.5,51.5 J10.12
  Top w0.5: J14.9 122.57,60.57 121.75,59.75 121.75,56 120.68,54.93 R123.1 119.34,54.26 R140.1 ; J10.21 127.4,60.4 127.19,60.61 123.65,60.61 124.21,60.61 126.38,58.44 126.38,57.62 J10.17 127.82,56.5 ; 133.4,52.99 133.02,52.99 130.53,50.5 J10.12
  Bottom w0.5: 123.65,60.61 123.65,63.15
/AUX2: length 35.2
  Top w0.25: 129.38,125.12 128.5,126 128.5,130.12 J27.17 128.5,132.12 128.5,134.12 J27.21
  Top w0.5: R126.1 119.84,144.5 121,144.5 121.75,143.75 v1(121.75,141.5) ; J26.6 131.67,125.12 J27.12 129.38,125.12 ; J27.21 123.8,135.12 J29.9 ; J27.17 125.96,131.12 R141.1
  Bottom w0.5: v1(121.75,141.5) 122.5,141.5 123.5,140.5 J29.10 J29.9
/Blower controller/FAN1_FG: length 5.7
  Top w0.5: R11.1 R43.1 R42.1
/Blower controller/FAN_POWER: length 7
  Top w0.75: R10.1 32,151 33.83,152.82 R45.2 33.83,156
/Blower controller/LOOPBACK13: length 61.8
  Top w0.5: v1(16.97,143.97) 18,145 34.75,145 37,147.25 37,152.5 38.6,154.1 50.58,154.1 R92.1
  Bottom w0.5: J18.4 14,146.94 v1(16.97,143.97)
  Bottom w1: J18.4 13.5,151.88 J15.13
/Blower controller/LOOPBACK25: length 65.5
  Top w0.5: R91.1 52.39,154.8 38.29,154.8 36,152.51 36,147.5 34.5,146 v1(18.5,146)
  Bottom w0.5: v1(18.5,146) 16,148.5 16,152.92 J18.3
  Bottom w1: J18.3 12.58,153.5 5,153.5 3.79,152.29 J15.25
/Blower controller/nFAN1_PWM: length 19.2
  Top w0.5: R38.2 32.04,109.96 33,109 33,107 32.5,106.5 28.5,106.5 28.09,106.09 R12.1 28,104.91 v1(28,103.5) 28.25,103.25 R41.2 ; R34.1 v1(25.19,104.31)
  Bottom w0.5: v1(28,103.5) 26,103.5 v1(25.19,104.31)
/Blower controller/PWMFan1: length 21.9
  Top w0.5: R33.1 18.59,118.71 18.5,118.8 ; v1(11.5,119) 13.8,119 C8.1 15.6,118.8 18.5,118.8 ; J17.1 24,118 23.2,118.8 18.5,118.8
  Bottom w0.5: J15.1 11.14,118.64 v1(11.5,119)
/Blower controller/PWMFan2: length 19.8
  Top w0.5: J17.2 23.94,121.6 15.71,121.6 C9.1 14.36,122.25 11.37,122.25 v1(11.25,122.37)
  Bottom w0.5: v1(11.25,122.37) 10.28,121.41 J15.2
/Blower controller/PWMFan3: length 19.8
  Top w0.25: 11.25,124.76 11.81,125.33 14.08,125.33 C10.1
  Top w0.5: J17.3 23.68,124.4 C10.1 ; 11.25,124.76 v1(11.06,124.76)
  Bottom w0.5: v1(11.06,124.76) 10.47,124.18 J15.3
/Blower controller/PWMFan4: length 20.1
  Top w0.25: 11.05,127.2 11.05,126.7 11.55,126.2 14.2,126.2 C11.1
  Top w0.5: v1(10.75,127.25) 10.8,127.2 11.05,127.2 ; C11.1 23.62,127 J17.4
  Bottom w0.5: v1(10.75,127.25) 10.44,126.95 J15.4
/Blower controller/Switched_Fan_Power: length 132.5
  Top w0.5: v1(34,142.75) 32.75,141.5 32.75,120 v1(30.25,117.5) ; Q2.2 24.62,146.91 32.66,146.91 v1(33,147.25) ; v1(27.5,115.75) 24.15,115.75 23.8,115.4 18.4,115.4 16.75,113.75 16.75,105.79 J20.2
  Top w1: 13.5,145.5 14,146 16.5,146 16.5,147 19.67,150.18 Q2.2 ; 13.5,145.5 13.5,146 v1(11.5,148) ; 13.5,145.5 v1(11.5,143.5) ; 13.5,145.5 13.14,145.14 C4.1 ; 13.5,145.5 v1(11.5,145.5)
  Bottom w0.5: v1(33,147.25) 33,143.75 v1(34,142.75) ; TPSwitched_Fan_Power1.1 18.04,104.5 J20.2 ; v1(27.5,115.75) 28.5,115.75 v1(30.25,117.5)
  Bottom w1: J15.9 11.3,140.8 11.5,141 11.5,144 ; J15.11 11.66,146.34 12,146 ; J15.12 11.11,149.11 11.5,148.71 11.5,144 ; 11.5,144 11.07,143.57 J15.10
/Blower controller/TachFan1: length 74.6
  Top w0.25: 14.8,130.2 14.2,130.8 11.17,130.8 v1(10.75,130.38)
  Top w0.5: R42.2 30.59,99.5 28.5,99.5 28.5,99.59 R37.1 27.09,100.5 24.5,100.5 23.59,101.41 R35.2 21.01,105.08 J20.3 17.5,107.58 17.5,113.5 18.7,114.7 26.21,114.7 26.31,114.8 28,114.8 29.2,116 29.2,116.29 26.66,118.83 26.66,129.34 23.5,132.5 D2.1 20.32,130.38 J16.1 18.61,129.8 C7.1 14.8,130.2
  Bottom w0.5: v1(10.75,130.38) 10.09,129.72 J15.5
/Blower controller/TachFan2: length 14
  Top w0.25: v1(10.75,133) 10.75,132.5 11.45,131.8 14,131.8 C6.1
  Top w0.5: C6.1 18.87,132.6 J16.2
  Bottom w0.5: J15.6 10.24,132.49 v1(10.75,133)
/Blower controller/TachFan3: length 13.9
  Top w0.25: C5.1 15,136 11.3,136 11.15,135.85
  Top w0.5: C5.1 18.93,135.2 J16.3 ; v1(10.73,136.02) 10.9,135.85 11.15,135.85
  Bottom w0.5: v1(10.73,136.02) 9.96,135.26 J15.7